# Altium PCB MainBoard_6_layers.PcbDoc (part 4 of 6) (continued)
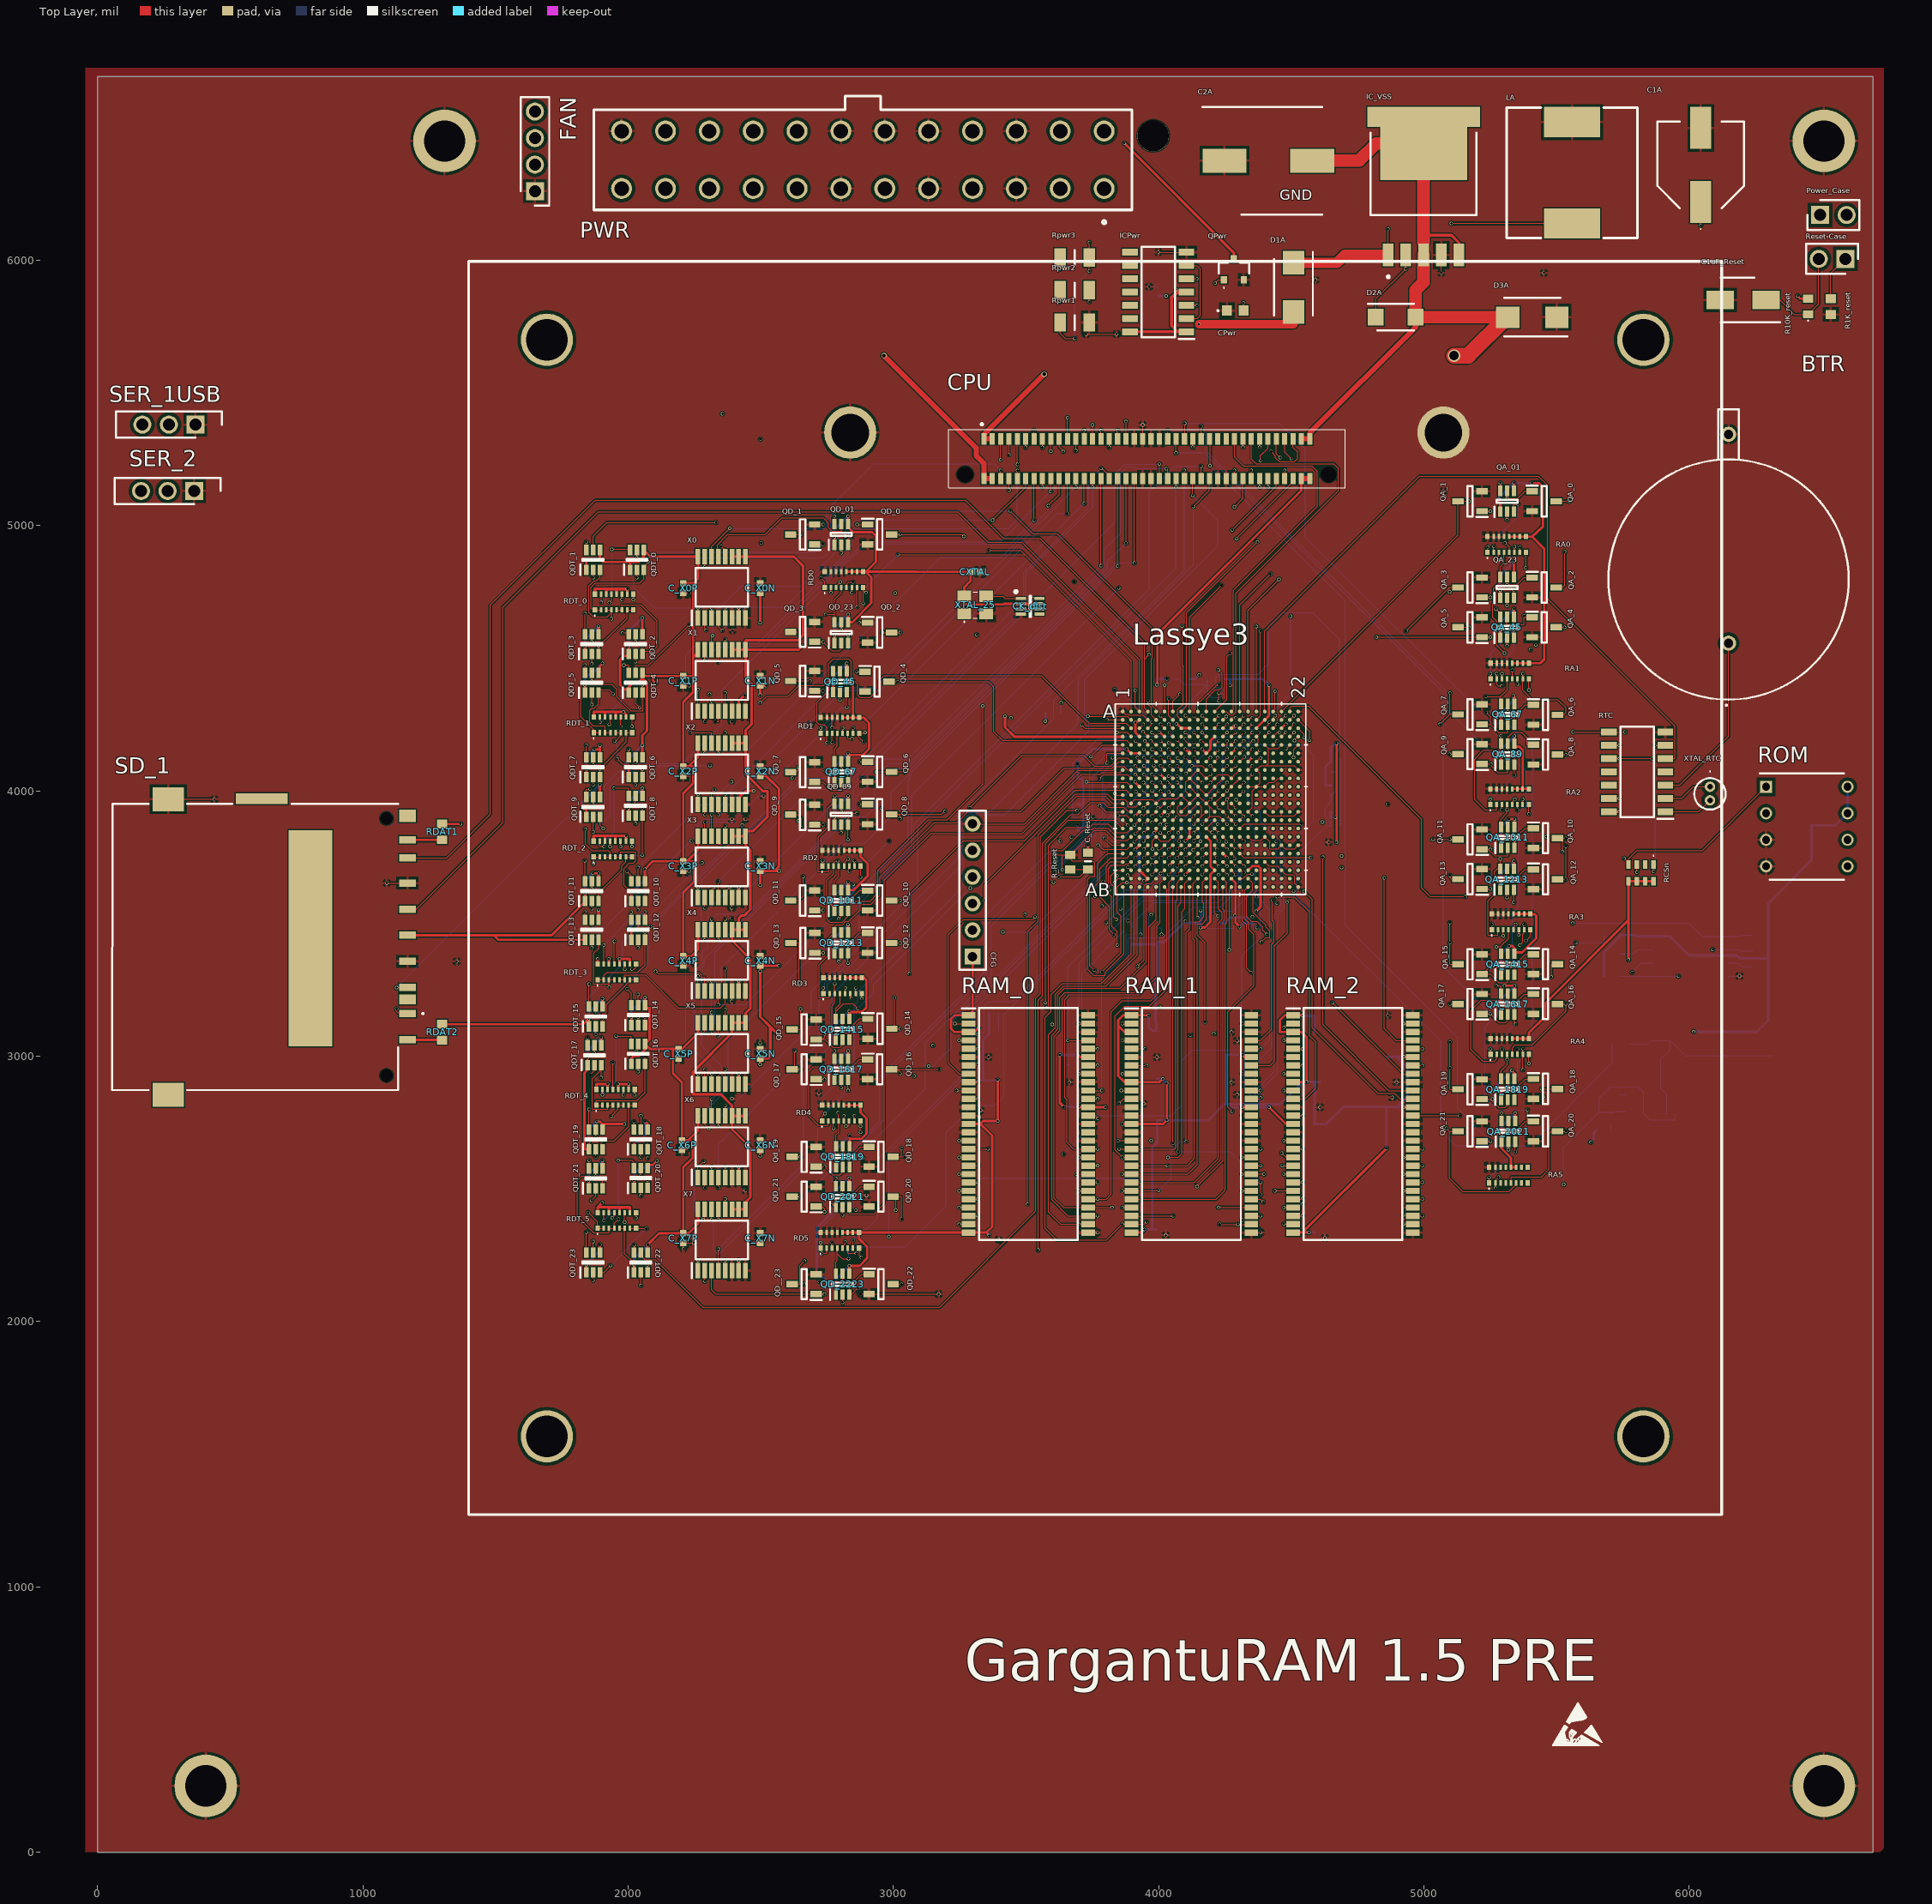
[diagram p0: Top Layer view]
## Nets (pads, with @x,y where several pads share a name; then routed paths per layer and width w, separated by ;. In a path a pad name is that pad's centre, name@x,y a point inside that pad or via, vN(x,y) a via of type N, cw(c..) or ccw(c..) an arc to the next point about the centre after c; other vN are vias at no path point) (continued)
  Bottom Layer w4: v1(1908.66,2381.05) 1962.91,2435.31 v1(1962.91,2608)
D_21S: QDT_21.6 RDT_5.13 | length 305
  Top Layer w4: QDT_21.6@1852.32,2577.4 v1(1852.32,2607) ; v1(1939.91,2391) 1947.6,2398.69 RDT_5.13@1947.6,2410.9
  Layer 3 w4: v1(1852.32,2607) 1939.91,2519.41 v1(1939.91,2391)
D_22S: QDT_22.6 RDT_5.11 | length 166.2
  Top Layer w4: v1(1986.91,2375) 1986.97,2375.06 RDT_5.11@1986.97,2410.9 ; QDT_22.6@2022.32,2260.14 2023.18,2260.99 v1(2023.18,2288.73)
  Layer 3 w4: v1(1986.91,2375) 1986.91,2325 v1(2023.18,2288.73)
D_23S: QDT_23.6 RDT_5.9 | length 306.6
  Top Layer w4: QDT_23.6@1842.32,2260.14 v1(1842.32,2337) ; v1(2029.8,2391) RDT_5.9@2029.8,2410.9
  Layer 4 w4: v1(1842.32,2337) 1975.8,2337 v1(2029.8,2391)
DataID_0: CPU.67 Lassye3.B11 | length 2989.1
  Top Layer w4: v1(4163.91,4284) 4163.91,4283.91 Lassye3.B11@4179.69,4268.14 ; CPU.67@4380.75,5327.43 4380.75,5296.16 v1(4380.91,5296)
  Layer 1 w4: v1(4163.91,4284) 4118.91,4329 3989.91,4329 3951.91,4367 3899.91,4367 3700.91,4566 3301.91,4566 3225.91,4642 3225.91,5302 3263.91,5340 4336.91,5340 v1(4380.91,5296)
DataID_1: CPU.72 Lassye3.B10 | length 1246.4
  Top Layer w4: v1(4132.91,4283.42) Lassye3.B10@4148.19,4268.14 ; v1(4276.91,4983) 4443.74,5149.83 CPU.72@4443.74,5177.83
  Layer 4 w4: v1(4132.91,4283.42) 4132.91,4399 4039.91,4492 3964.69,4492 3942.69,4514 3942.69,4648.78 v1(4276.91,4983)
EXT_CSn: RCSn.2
GND: BTR.2 C1A.2 C1uF_Reset.2 C2A.1 C_IO0.1 C_IO1.1 C_IO2.1 C_IO3.1 C_IO4.1 C_IO5.1 C_IO6.1 C_IO7.1 C_IO8.1 C_IO9.1 C_IO10.1 C_IO11.1 C_PLL.2 C_PLL_A.2 C_Reset.1 C_ROM.1 C_VCC0.1 C_VCC1.1 C_VCC2.1 C_VCC3.1 C_VCC4.1 C_VCC5.1 C_VCC6.1 C_VCC7.1 C_Vcc8.1 C_VCC.2 C_X0N.1 C_X0P.1 C_X1N.1 C_X1P.1 C_X2N.1 C_X2P.1 C_X3N.1 C_X3P.1 C_X4N.1 C_X4P.1 C_X5N.1 C_X5P.1 C_X6N.1 C_X6P.1 C_X7N.1 C_X7P.1 CFG.6 CICPwr.2 CK_dist.4 CPU.37 CPU.39 CPU.40 CPU.41 CPU.42 CPU.43 CPU.58 CPU.60 CPwr.1 CR0.2 CR1.2 CR2.2 CR3.2 CR4.2 CR5.2 CR6.2 CR7.2 CR8.2 CR9.2 CR10.2 CR11.2 CR12.2 CR13.2 CR14.2 CR15.2 CR16.2 CR17.2 CR18.2 CR19.2 CR20.2 CRom.2 CXTAL.2 D3A.1 EROM.4 FAN.1 IC_1V2.1 IC_VSS.4 ICPwr.7 LA.1 Lassye3.A1 Lassye3.A22 Lassye3.AB1 Lassye3.AB22 Lassye3.B4 Lassye3.B12 Lassye3.D4 Lassye3.D7 Lassye3.D13 Lassye3.D16 Lassye3.E18 Lassye3.E20 Lassye3.F22 Lassye3.H2 Lassye3.H5 Lassye3.H15 Lassye3.H17 Lassye3.H22 Lassye3.J10 Lassye3.J12 Lassye3.J14 Lassye3.J20 Lassye3.K9 Lassye3.K11 Lassye3.K13 Lassye3.K16 Lassye3.K17 Lassye3.K18 Lassye3.L8 Lassye3.L10 Lassye3.L12 Lassye3.L14 Lassye3.M2 Lassye3.M5 Lassye3.M9 Lassye3.M11 Lassye3.M13 Lassye3.N8 Lassye3.N10 Lassye3.N12 Lassye3.N14 Lassye3.N16 Lassye3.N18 Lassye3.N20 Lassye3.N22 Lassye3.P9 Lassye3.P11 Lassye3.P13 Lassye3.T2 Lassye3.T5 Lassye3.T7 Lassye3.T16 Lassye3.T18 Lassye3.U20 Lassye3.U22 Lassye3.W13 Lassye3.W18 Lassye3.Y2 Lassye3.Y5 Lassye3.Y8 Lassye3.Y11 Lassye3.Y15 Lassye3.Y20 pad.2 pad.12@2837.44,5351.05 pad.12@5073.66,5351.05 PWR.5 PWR.6 PWR.9 PWR.10 PWR.12 PWR.13 PWR.14 PWR.24 QA_0.2 QA_1.2 QA_2.2 QA_3.2 QA_4.2 QA_5.2 QA_6.2 QA_7.2 QA_8.2 QA_9.2 QA_10.2 QA_11.2 QA_12.2 QA_13.2 QA_14.2 QA_15.2 QA_16.2 QA_17.2 QA_18.2 QA_19.2 QA_20.2 QA_21.2 QD_0.2 QD_1.2 QD_2.2 QD_3.2 QD_4.2 QD_5.2 QD_6.2 QD_7.2 QD_8.2 QD_9.2 QD_10.2 QD_11.2 QD_12.2 QD_13.2 QD_14.2 QD_15.2 QD_16.2 QD_17.2 QD_18.2 Qd_19.2 QD_20.2 QD_21.2 QD_22.2 QD__23.2 QPwr.2 R1K_reset.1 RA0.13 RA0.14 RA0.15 RA0.16 RA1.13 RA1.14 RA1.15 RA1.16 RA2.13 RA2.14 RA2.15 RA2.16 RA3.13 RA3.14 RA3.15 RA3.16 RA4.13 RA4.14 RA4.15 RA4.16 RA5.15 RA5.16 RAM_0.6 RAM_0.12 RAM_0.15 RAM_0.28 RAM_0.39 RAM_0.41 RAM_0.46 RAM_0.52 RAM_0.54 RAM_1.6 RAM_1.12 RAM_1.15 RAM_1.28 RAM_1.39 RAM_1.41 RAM_1.46 RAM_1.52 RAM_1.54 RAM_2.6 RAM_2.12 RAM_2.15 RAM_2.28 RAM_2.39 RAM_2.41 RAM_2.46 RAM_2.52 RAM_2.54 RD0.13 RD0.14 RD0.15 RD0.16 RD1.13 RD1.14 RD1.15 RD1.16 RD2.13 RD2.14 RD2.15 RD2.16 RD3.13 RD3.14 RD3.15 RD3.16 RD4.13 RD4.14 RD4.15 RD4.16 RD5.13 RD5.14 RD5.15 RD5.16 ROM.3 ROM.4 Rpwr1.1 RTC.7 SD_1.G1 SD_1.P3 SD_1.P6 SER_1USB.1 SER_2.1 X0.6 X0.8 X1.6 X1.8 X2.6 X2.8 X3.6 X3.8 X4.6 X4.8 X5.6 X5.8 X6.6 X6.8 X7.6 X7.8 XTAL_25.2 | length 21733.5
  Top Layer w4: SD_1.G1@266.3,3969.08 v1(439.91,3969.08) ; SER_2.1@363.66,5131.05 SER_2.1@363.91,5131.05 ; v1(1089.91,3653.14) SD_1.P6@1167.87,3653.14 ; SD_1.P3@1136.91,3357.86 SD_1.P3@1167.87,3357.86 ; C_X6P.1@2202.91,2646.89 2208.82,2652.8 C_X6P.1@2212.02,2656 ; C_X4P.1@2207.67,3341.89 C_X4P.1@2207.67,3351 ; C_X3P.1@2207.67,3698.78 v1(2229.69,3698.78) ; v1(2207.91,2275) C_X7P.1@2207.91,2296.89 v1(2246.91,2296.89) ; C_X1P.1@2207.91,4396.89 2229.8,4396.89 v1(2229.91,4397) ; C_X0P.1@2207.91,4746.89 v1(2229.91,4746.89) ; v1(2390.91,3208) 2391.3,3208.39 X4.6@2391.3,3246.48 ; v1@2392.17,4607.55 v1(2393.66,4606.05) v1@2394.36,4606.75 ; X4.8@2435.62,3219.14 2435.62,3239.62 X4.8@2442.48,3246.48 ; X5.8@2442.48,2872 X5.8@2442.48,2895.05 ; X3.8@2442.48,3577.73 X3.8@2442.48,3597.91 ; 2442.48,3920 X2.8@2442.48,3949.34 ; 2682.91,2983 2708.94,2983 QD_17.2@2708.94,2988.46 ; QD_11.2@2692.91,3624.8 QD_11.2@2703.19,3624.8 ; QD_21.2@2699.09,2508.46 QD_21.2@2708.94,2508.46 ; QD_3.2@2702.91,4637.27 QD_3.2@2703.19,4637.27 ; QD_1.2@2703.19,5004.52 v1(2734.91,5004.52) ; RD5.16@2725.83,2336.05 RD5.15@2748.98,2336.05 RD5.14@2768.66,2336.05 RD5.13@2788.35,2336.05 ; RD1.16@2726.3,4276.72 RD1.15@2749.45,4276.72 RD1.14@2769.13,4276.72 ; RD4.16@2731.3,2815.58 RD4.15@2754.45,2815.58 RD4.14@2774.13,2815.58 ; RD2.16@2731.77,3776.25 RD2.15@2754.92,3776.25 RD2.14@2774.61,3776.25 RD2.13@2794.29,3776.25 ; RD3.16@2736.14,3296.05 RD3.15@2759.29,3296.05 RD3.14@2778.98,3296.05 RD3.13@2798.66,3296.05 ; v1(2769.13,4239.22) RD1.14@2769.13,4276.72 ; RD1.13@2788.82,4276.72 RD1.14@2769.13,4276.72 ; RD4.13@2793.82,2815.58 RD4.13@2793.82,2820.5 ; v1(2876.91,2104) 2877.26,2103.65 QD_22.2@2908.39,2103.65 v1(3170.57,2103.65) ; QD_16.2@2884.72,2904.83 QD_16.2@2893.91,2904.83 ; QD_12.2@2892.91,3389.79 QD_12.2@2903.11,3389.79 ; QD_8.2@2902.91,3874.8 QD_8.2@2903.39,3874.8 ; QD_10.2@2903.39,3549.79 QD_10.2@2920.91,3549.79 ; 3257.41,2713.5 RAM_0.15@3283.15,2713.5 ; CFG.6@3298.66,3876.05 3493.66,3876.05 3695.7,4078.09 3828.13,4078.09 3842.2,4092.16 3870.11,4092.16 3883.11,4079.16 Lassye3.H2@3896.22,4079.16 ; 3320.91,4668.57 XTAL_25.2@3350,4668.57 ; v1(3328.66,2796.05) v1@3330.16,2797.55 ; v1(3604.91,3760) 3605.24,3759.68 3636.91,3759.68 ; v1(3636.91,3703.5) 3636.91,3759.68 ; v1(3726.91,5722) 3738.78,5722 ; RAM_0.39@3734.17,2682.01 3759.92,2682.01 ; RAM_0.46@3734.17,2902.48 3759.91,2902.48 ; Rpwr1.1@3738.78,5766.05 3738.78,5722 ; v1(3840.91,5722) 3738.78,5722 ; Lassye3.AB1@3864.73,3638.22 3869.82,3633.13 3869.82,3387.91 3799.1,3317.18 3799.1,3305.21 3754.8,3305.21 3732.01,3328 3732.01,3667 3743.91,3678.91 3758.91,3678.91 3758.91,3728 3750.91,3736 3674.57,3736 3666.57,3744 C_Reset.1@3666.57,3759.68 ; Lassye3.A1@3867.43,4299.64 3867.43,4296.93 3874.36,4290 3885.07,4290 3888.93,4286.14 3941.21,4286.14 Lassye3.B4@3959.21,4268.14 ; v1(3883.91,3713) 3884.43,3713 Lassye3.Y2@3896.22,3701.21 ; Lassye3.T2@3896.22,3827.2 3883.03,3814 3837.73,3814 3800.82,3850.91 3757.8,3850.91 C_Reset.1@3666.57,3759.68 ; Lassye3.M2@3896.22,3953.18 3910.04,3967 3976.89,3967 Lassye3.M5@3990.71,3953.18 4008.53,3971 4071.52,3971 Lassye3.L8@4085.2,3984.68 Lassye3.M9@4116.69,3953.18 ; CPU.39@3939.8,5327.43 v1(3939.8,5379.86) ; v1(3941.36,4223) Lassye3.D4@3959.21,4205.15 ; v1(3974.91,3685) 3974.91,3685.42 Lassye3.Y5@3990.71,3701.21 ; v1(3976.91,3781) 3976.91,3813.4 Lassye3.T5@3990.71,3827.2 4006.91,3811 4037.51,3811 Lassye3.T7@4053.7,3827.2 ; v1(3981.91,4096) 3981.91,4087.96 Lassye3.H5@3990.71,4079.16 ; v1(3998.66,6031.05) ICPwr.7@4104.96,6031.05 ; v1(4040.91,4220) 4040.91,4218.97 4053.7,4206.18 Lassye3.D7@4053.7,4205.15 ; v1(4069.91,3685) 4069.91,3685.93 Lassye3.Y8@4085.2,3701.21 ; Lassye3.N8@4085.2,3921.68 Lassye3.M9@4116.69,3953.18 ; Lassye3.P9@4116.69,3890.19 v1(4132.44,3905.94) Lassye3.N10@4148.19,3921.68 ; Lassye3.K9@4116.69,4016.17 Lassye3.L10@4148.19,3984.68 ; Lassye3.J10@4148.19,4047.67 v1(4163.94,4031.92) ; v1(4163.94,3685.46) Lassye3.Y11@4179.69,3701.21 ; v1(4163.94,3874.44) Lassye3.P11@4179.69,3890.19 ; Lassye3.K11@4179.69,4016.17 v1(4195.43,4031.92) Lassye3.J12@4211.18,4047.67 4224.51,4061 4260.84,4061 Lassye3.J14@4274.17,4047.67 4274.17,4047.93 4305.41,4079.16 Lassye3.H15@4305.67,4079.16 ; Lassye3.N12@4211.18,3921.68 4192.91,3939.95 ; Lassye3.B12@4211.18,4268.14 v1(4226.93,4283.89) ; v1(4226.93,4000.42) Lassye3.L12@4211.18,3984.68 v1(4195.43,3968.93) Lassye3.M11@4179.69,3953.18 ; v1(4226.91,4340) v1(4226.91,4369) ; Lassye3.W13@4242.68,3732.71 v1(4258.43,3716.96) ; Lassye3.M13@4242.68,3953.18 v1(4258.43,3968.93) ; Lassye3.K13@4242.68,4016.17 v1(4258.43,4031.92) ; Lassye3.D13@4242.68,4205.15 v1(4258.43,4220.9) ; C2A.1@4248.31,6376.05 C2A.1@4321.06,6376.05 ; v1(4258.43,3874.44) Lassye3.P13@4242.68,3890.19 4228.87,3904 4192.91,3904 ; Lassye3.L14@4274.17,3984.68 v1(4258.43,3968.93) ; v1(4289.92,3905.94) Lassye3.N14@4274.17,3921.68 4260.91,3934.94 v1(4258.43,3968.93) ; Lassye3.Y15@4305.67,3701.21 4308.38,3701.21 4315.09,3694.49 4320.42,3694.49 v1(4321.91,3693) ; Lassye3.T16@4337.17,3827.2 4350.36,3814 4386.96,3814 Lassye3.T18@4400.16,3827.2 4418.65,3808.7 4418.65,3782.7 4450.15,3782.7 Lassye3.U20@4463.15,3795.7 4476.85,3782 4512.44,3782 Lassye3.U22@4526.14,3795.7 ; Lassye3.K16@4337.17,4016.17 Lassye3.K17@4368.66,4016.17 ; Lassye3.D16@4337.17,4205.15 v1(4352.97,4220.95) ; RAM_1.28@4349.17,2335.55 v1(4384.57,2335.55) ; v1(4352.91,3905.94) Lassye3.N16@4337.17,3921.68 4352.91,3937.43 4352.91,4000.42 Lassye3.K17@4368.66,4016.17 ; Lassye3.W18@4400.16,3732.71 4415.87,3717 4447.36,3717 Lassye3.Y20@4463.15,3701.21 4479.36,3685 4503.91,3685 4511.99,3676.92 4511.99,3652.37 Lassye3.AB22@4526.14,3638.22 ; Lassye3.N18@4400.16,3921.68 4415.84,3906 4463.15,3906 ; Lassye3.E18@4400.16,4173.65 4413.91,4159.9 ; Lassye3.N20@4463.15,3921.68 4463.15,3906 ; Lassye3.J20@4463.15,4047.67 4450.04,4047.67 4434.29,4031.92 4415.91,4031.92 Lassye3.K18@4400.16,4016.17 Lassye3.K17@4368.66,4016.17 ; Lassye3.E20@4463.15,4173.65 4449.5,4160 4413.91,4159.9 ; Lassye3.N22@4526.14,3921.68 4510.46,3906 4463.15,3906 ; Lassye3.H22@4526.14,4079.16 4510.39,4094.91 4404.91,4094.99 ; RAM_2.41@4933.91,2745 RAM_2.41@4958.43,2745 ; v1(5065.59,5953) IC_VSS.4@5065.59,6020.58 ; QA_3.2@5218.94,4804.6 QA_3.2@5221.91,4804.6 ; RA0.16@5239.76,4958.93 RA0.15@5262.91,4958.93 RA0.14@5282.6,4958.93 RA0.13@5302.28,4958.93 ; RA2.16@5251.02,4007.95 RA2.15@5274.17,4007.95 RA2.14@5293.86,4007.95 RA2.13@5313.54,4007.95 ; RA4.16@5251.3,3066.72 RA4.15@5274.45,3066.72 RA4.14@5294.13,3066.72 RA4.13@5313.82,3066.72 ; RA1.16@5251.3,4481.72 RA1.15@5274.45,4481.72 RA1.14@5294.13,4481.72 RA1.13@5313.82,4481.72 ; RA3.16@5256.3,3536.72 RA3.15@5279.45,3536.72 RA3.14@5299.13,3536.72 RA3.13@5314.86,3536.72 ; QA_4.2@5387.61,4579.79 QA_4.2@5408.39,4579.79 ; QA_12.2@5401.94,3627.82 5403.91,3629.8 QA_12.2@5413.39,3629.8 ; QA_16.2@5403.91,3159.79 QA_16.2@5413.39,3159.79 ; QA_20.2@5405.91,2679.79 QA_20.2@5413.39,2679.79 ; QA_8.2@5412.91,4099.79 QA_8.2@5413.39,4099.79 ; QA_14.2@5432.91,3316 5432.91,3309 QA_14.2@5414.18,3309 ; C1A.2@6043.66,6450 C1A.2@6043.66,6499.72 ; 3636.91,3759.68 C_Reset.1@3666.57,3759.68 ; Lassye3.M9@4116.69,3953.18 Lassye3.L10@4148.19,3984.68 ; Lassye3.L10@4148.19,3984.68 Lassye3.M11@4179.69,3953.18 ; Lassye3.P11@4179.69,3890.19 4192.91,3904 ; Lassye3.P11@4179.69,3890.19 4192.91,3903.42 4192.91,3904 ; Lassye3.M11@4179.69,3953.18 4192.91,3939.95 ; 4192.91,3904 4192.91,3939.95 ; Lassye3.K17@4368.66,4016.17 4381.91,4029.42 4381.91,4065.91 Lassye3.H17@4368.66,4079.16 4384.5,4095 ; 4384.5,4095 4404.91,4094.99 ; 4384.5,4095 4404.91,4095 ; 4404.91,4095 4413.91,4104 4413.91,4159.9 ; QA_14.2@5414.18,3309 5413.39,3309 QA_14.2@5413.39,3309.79 QA_14.2@5414.18,3309 ; v1(2390.91,3559) X3.6@2391.3,3597.91 2391.3,3559.39 v1(2390.91,3559)
  Top Layer w9.84: RAM_0.28@3734.17,2335.55 v1(3769.57,2335.55)
  Top Layer w11.81: C_X6P.1@2208.82,2652.8 2221.82,2652.8 v1(2225.03,2656)
  Layer 1 w4: v1(1353.91,3357.86) 1369.78,3342 2203.66,3342 2212.66,3351 v1(2250.91,3351) 2377.91,3351 2390.91,3338 v1(2390.91,3208) ; 1369.78,3341.89 2203.66,3341.89 ; v1(2225.03,2656) 2225.03,2727.11 2338.02,2840.11 v1(2391.3,2840.11) ; v1(2229.91,4746.89) 2370.75,4606.05 v1(2393.66,4606.05) ; v1(2390.91,4262) 2412.91,4240 ; v1(2391.3,3894) 2412.91,3915.61 2412.91,4240 ; v1(2442.48,3894) 2442.48,4210.43 2412.91,4240 ; v1(3604.91,3760) 3636.91,3728 v1(3636.91,3703.5) ; v1(3974.91,3685) 3990.91,3701 4053.91,3701 v1(4069.91,3685) 4069.91,3698 4151.4,3698 v1(4163.94,3685.46) ; v1(4225.95,3684.48) 4239.47,3698 4316.91,3698 v1(4321.91,3693) ; v1(4226.93,4283.89) v1(4226.91,4340) ; v1(4591.6,5926.68) 4617.91,5953 v1(5065.59,5953) v1(5452.18,5953)
  Layer 2 w4: v1(439.91,3969.08) 773.97,3969.08 v1(1089.91,3653.14) ; pad.2@1307.91,6450 1496.86,6261.05 FAN.1@1648.66,6261.05 ; v1(2229.69,3698.78) 2369.47,3559 ; v1(2250.91,3351) 2250.91,3367 2331.91,3448 2331.91,3530 2360.91,3559 2369.47,3559 ; v1(2390.91,3208) 2497.91,3101 v1(2497.91,3050.11) ; v1(2390.91,3559) 2369.47,3559 ; v1(2442.48,2494) 2718.66,2770.18 v2(2718.66,2861.05) ; v2(2688.66,4251.05) 2729.08,4251.05 2740.92,4239.22 v1(2769.13,4239.22) ; v1(3636.91,3703.5) 3874.41,3703.5 ; v1(3883.91,3713) 3874.41,3703.5 ; v1(3974.91,3685) 3956.41,3703.5 3874.41,3703.5 ; v1(4163.94,4031.92) v1(4195.43,4031.92) v1(4258.43,4031.92) ; v1@4258.91,4221 4270.91,4233 4340.91,4233 v1(4352.97,4220.95)
  Layer 2 w11.81: v2(2898.66,2476.05) 3065.72,2309 v1(3396.91,2309)
  Layer 3 w4: v1(2207.91,2275) 2274.91,2275 2442.48,2442.57 v1(2442.48,2494) ; v1(2390.91,4262) 2364.91,4262 v1(2229.91,4397) 2393.66,4560.75 v1(2393.66,4606.05) ; PWR.5@3463.66,6271.05 3463.66,5985.25 ; v1(3726.91,5722) 3463.66,5985.25 ; v1(3939.8,5379.86) 3463.66,5856 3463.66,5985.25 ; v1(4195.43,3968.93) v1(4258.43,3968.93) ; v1(4195.43,4031.92) v1(4226.93,4000.42) ; v1(4226.91,4340) 4242.68,4324.24 ; 4242.91,4237 4242.91,4324 4242.68,4324.24 ; v1(4258.43,4220.9) 4242.68,4236.64 4242.68,4324.24 ; v1(4289.92,3905.94) 4303.33,3892.53 4339.5,3892.53 v1(4352.91,3905.94) ; v1(5073.66,5129.6) pad.12@5073.66,5351.05
  Layer 4 w4: FAN.1@1648.66,6261.05 1875.2,6487.59 PWR.24@1975.47,6487.59 ; v1(2510.91,3981) v1(2769.13,4239.22) ; v1(3396.91,2309) 3423.46,2335.55 v1(3769.57,2335.55) ; v1(3840.91,5722) 3963.66,5844.75 v1(3963.66,5901.05) ; v1(3981.91,4096) 3990.91,4105 3990.91,4192 3999.05,4200.14 4021.05,4200.14 v1(4040.91,4220) ; v1(4226.93,4000.42) v1(4258.43,3968.93) ; v1(4384.57,2335.55) 4405.12,2315 v1(4626.77,2315)
  Bottom Layer w4: v1(2217.91,3005.85) 2217.91,3330 2238.91,3351 v1(2250.91,3351) ; v1(2229.69,3698.78) 2263.91,3733 2263.91,3874 2283.91,3894 v1(2391.3,3894) ; v1(3328.66,2796.05) v1@3330.78,2796.05 ; CR1.2@3396.77,3097.12 CR0.2@3396.77,3162.12 ; 3650.92,2969.01 CR6.2@3663.66,2969.01 ; v1(3943.66,2821.05) v1@3944.3,2820.42 ; v1(3963.66,5901.05) 3997.44,5901.05 CICPwr.2@3998.66,5902.27 ; v1(3974.91,3685) 3986.91,3697 3986.91,3771 v1(3976.91,3781) ; CR11.2@4026.77,2347.12 4026.77,2325.14 v1(4026.91,2325) ; C_VCC2.1@4184.16,4458.43 C_VCC2.1@4184.56,4458.43 ; C_IO8.1@4247.52,4458.43 C_IO8.1@4247.91,4458.43 ; v1(4626.77,2315) CR18.2@4626.77,2337.12 ; C_VCC7.1@4686.02,3870 C_IO2.1@4686.02,3922 C_VCC6.1@4686.02,3974 C_IO1.1@4686.02,4021 C_Vcc8.1@4686.02,4073 C_IO0.1@4686.02,4125 ; C_ROM.1@5706.22,2722.2 5706.22,2744 ; C_PLL_A.2@5735.58,2855.98 C_PLL_A.2@5763.66,2855.98 ; IC_1V2.1@6058.91,2911.64 IC_1V2.1@6059.65,2911.64 ; EROM.4@6147.13,3302.2 v1(6189.91,3302.2)
  other v1: 4608.66,2807.99 4880.77,2845.23 4295.77,2855.23 3663.66,2902.48 4273.66,2902.48 4896.91,2902.48 3358.66,2996.97 3993.66,2996.97 4295.77,3058.12 4273.66,3091.46 4863.66,3154.45 4640.83,3807
HOLD: EROM.7 R_Hold.1 | length 131.6
  Bottom Layer w4: R_Hold.1@5738.27,3387.2 5792.91,3387.2 5807.91,3402.2 EROM.7@5863.66,3402.2
INT: CPU.71 Lassye3.B9 | length 1470.4
  Top Layer w4: v1(4100.91,4284) 4100.91,4283.92 Lassye3.B9@4116.69,4268.14 ; CPU.71@4443.74,5327.43 4443.74,5271.17 v1(4457.91,5257)
  Layer 4 w4: v1(4100.91,4284) 4100.91,4416 4038.91,4478 3951.91,4478 3933.91,4496 3933.91,4680.16 4323.91,5070.16 4323.91,5228 4352.91,5257 v1(4457.91,5257)
INT_A: CPU.76 Lassye3.B8 | length 1084.1
  Top Layer w4: Lassye3.B8@4085.2,4268.14 4071.91,4281.42 4071.91,4307 4091.91,4327 4091.91,4471.34 4088.66,4474.6 v1(4088.66,4621.05) ; v1(4293.66,4951.05) 4293.66,4952.94 4501.64,5160.93 CPU.76@4506.73,5160.93
  Layer 2 w4: v1(4088.66,4621.05) 4088.66,4746.05 v1(4293.66,4951.05)
INTn: Lassye3.K1
LOCK: CPU.70 Lassye3.C12 | length 1046.1
  Top Layer w4: Lassye3.C12@4211.18,4236.64 4226.54,4252 v1(4226.91,4252) ; v1(4412.25,5146) CPU.70@4412.25,5177.83
  Layer 4 w4: v1(4226.91,4252) 4238.91,4264 4238.91,4419.17 4213.01,4445.07 4213.01,4692.65 4412.25,4891.89 v1(4412.25,5146)
M_IO: CPU.73 Lassye3.A11 | length 1190.5
  Top Layer w4: Lassye3.A11@4179.69,4299.64 4179.69,4346.77 4213.91,4381 4227.91,4381 4238.91,4392 4238.91,4443 v1(4224.91,4457) ; CPU.73@4475.24,5327.43 4475.24,5277.68 v1(4499.91,5253)
  Layer 4 w4: v1(4224.91,4457) 4246.91,4479 4246.91,4706 4499.91,4959 v1(4499.91,5253)
MAIN_RESET: C1uF_Reset.1 Lassye3.R8 R10K_reset.1 Reset-Case.2 | length 4113.8
  Top Layer w4: v1(4073.91,3843) 4073.91,3847.41 Lassye3.R8@4085.2,3858.69 ; C1uF_Reset.1@6290.28,5851.05 6341.91,5851.05 6396.44,5796.53 R10K_reset.1@6448.66,5796.53 6488.66,5836.53 Reset-Case.2@6488.66,6006.05
  Layer 1 w4: v1(4073.91,3843) 4089.91,3859 4772.91,3859 v1(4863.91,3950)
  Layer 4 w4: v1(4863.91,3950) 5133.91,4220 5343.91,4220 6488.66,5364.75 Reset-Case.2@6488.66,6006.05
MISO: Lassye3.A4 ROM.2 RTC.8 SD_1.P7 | length 7267.9
  Top Layer w4: SD_1.P7@1167.87,3748.61 1316.22,3748.61 1480.91,3913.31 1480.91,4701 1875.97,5096.05 3271.86,5096.05 3414.91,4953 3551.91,4953 3947.01,4557.91 3947.01,4497.09 ; Lassye3.A4@3959.21,4299.64 3947.01,4311.84 3947.01,4497.09 ; v1(3963.91,4514) 3947.01,4497.09 ; v1(5562.11,4222.2) RTC.8@5697.44,4222.2 v1(5757.91,4222.2)
  Layer 2 w4: v1(5757.91,4222.2) 5983.78,4222.2 ROM.2@6289.92,3916.05
  Layer 4 w4: v1(3963.91,4514) 4143.91,4514 4189.01,4468.91 4189.01,4247.91 4231.91,4205 4527.85,4205 4536.57,4213.72 4565.26,4213.72 4856.97,3922 5261.91,3922 v1(5562.11,4222.2)
MOSI: Lassye3.A2 ROM.5 RTC.9 SD_1.P2 | length 8051.3
  Top Layer w4: v1(1126.91,3259) 1127.35,3259.44 SD_1.P2@1167.87,3259.44 ; v1(3017.14,4891) 3495.91,4891 ; v1(3359.91,4907) 3479.91,4907 3495.91,4891 ; Lassye3.A2@3896.22,4299.64 3896.22,4490.69 3495.91,4891 ; RTC.9@5697.44,4172.2 v1(5736.88,4172.2)
  Layer 1 w4: v1(3359.91,4907) 3359.91,4677 3391.91,4645 4300.91,4645 4378.91,4567 5404.91,4567 v1(5421.91,4550)
  Layer 2 w4: v1(5736.88,4172.2) 6029.51,3879.56 6304.48,3879.56 6467.99,3716.05 ROM.5@6597.4,3716.05
  Layer 3 w4: v1(5421.91,4550) 5421.91,4487.16 v1(5736.88,4172.2)
  Bottom Layer w4: v1(1126.91,3259) 1768.91,3901 1874.91,3901 1909.91,3936 1909.91,4019 1968.82,4077.91 2014.7,4077.91 2040.84,4104.05 2204.97,4104.05 2352.91,4252 2352.91,4380 2742.69,4769.78 2895.91,4769.78 v1(3017.14,4891)
MSync: CPU.69 Lassye3.A9 | length 1150.2
  Top Layer w4: Lassye3.A9@4116.69,4299.64 4116.69,4654.78 v1(4237.91,4776) ; v1(4383.91,5245) 4383.91,5263.57 4412.25,5291.91 CPU.69@4412.25,5327.43
  Layer 4 w4: v1(4237.91,4776) 4343.91,4882 4343.91,5163 4383.91,5203 v1(4383.91,5245)
NetBTR_1: BTR.1 RTC.3 | length 665.5
  Top Layer w4: RTC.3@5910.04,4022.2 5964.11,4022.2 6148.66,4206.75 BTR.1@6148.66,4557.2
NetC1A_1: C1A.1 D1A.1 IC_VSS.1 | length 1756.1
  Top Layer w4: IC_VSS.1@4864.8,6020.58 v1(4864.8,6119) ; C1A.1@6043.66,6220.19 6043.66,6132.25 v1(6043.91,6132)
  Top Layer w39.37: D1A.1@4508.66,5991.09 4671.91,5991.09 4701.4,6020.58 IC_VSS.1@4864.8,6020.58
  Layer 1 w4: v1(4864.8,6119) 4897.8,6152 6023.91,6152 v1(6043.91,6132)
NetC_VCC_1: C_VCC.1 FB_VCCA.1 IC_1V2.2 IC_1V2.4 L_INT.1 | length 859.9
  Bottom Layer w4: L_INT.1@5776.14,3047.2 5845.91,3047.2 5857.49,3058.77 C_VCC.1@5928.66,3058.77 ; FB_VCCA.1@5915.95,2782.2 5915.95,2856.97 5893.91,2879 5893.91,2989.25 5928.66,3024 C_VCC.1@5928.66,3058.77 ; IC_1V2.4@6307.68,3002.2 IC_1V2.2@6059.65,3002.2 5985.24,3002.2 C_VCC.1@5928.66,3058.77
NetCK_dist_5: CK_dist.5
NetCpwr_2: CPwr.2 ICPwr.3 Rpwr3.2 | length 885.2
  Top Layer w4: v1(3628.54,5967) Rpwr3.2@3628.54,6011.05 ; ICPwr.3@4104.96,5831.05 v1(4144.39,5831.05) ; v1(4319.91,5841) 4320.16,5840.76 CPwr.2@4320.16,5811.05
  Layer 1 w4: v1(4144.39,5831.05) 4154.34,5841 v1(4319.91,5841)
  Layer 2 w4: v1(3628.54,5967) 3652.54,5991 3984.45,5991 v1(4144.39,5831.05)
NetD2A_1: D2A.1 IC_VSS.2 LA.2 | length 979.2
  Top Layer w4: D2A.1@4818.86,5786.05 4818.86,5855.13 4931.73,5968 v1(4931.73,5968.16) IC_VSS.2@4931.73,6020.58 ; v1(5103.06,6139.48) LA.2@5558.66,6139.48
  Layer 1 w4: v1(4931.73,5968.16) v1(5103.06,6139.48)
NetEROM_3: EROM.3 R_WP.1 | length 98.3
  Bottom Layer w4: EROM.3@6147.13,3352.2 6184.91,3352.2 6199.91,3337.2 R_WP.1@6239.21,3337.2
NetICpwr_2: ICPwr.2 ICPwr.6 | length 289.9
  Top Layer w4: ICPwr.2@4104.96,5781.05 4145.97,5781.05 4156.91,5792 4156.91,5968.05 4143.91,5981.05 ICPwr.6@4104.96,5981.05
NetICpwr_5: ICPwr.5 Rpwr2.1 | length 524.7
  Top Layer w4: v1(3738.78,5844) Rpwr2.1@3738.78,5888.55 ; ICPwr.5@4104.96,5931.05 4143.86,5931.05 v1(4143.91,5931)
  Layer 4 w4: v1(3738.78,5844) 3825.78,5931 v1(4143.91,5931)
NetLassye3_AA13: Lassye3.AA13 RAM_0.23 RAM_1.23 RAM_2.23 | length 2900.5
  Top Layer w4: RAM_0.23@3283.15,2461.54 3318.45,2461.54 v1(3318.91,2462) ; RAM_1.23@3898.15,2461.54 v1(3933.55,2461.54) 4216.45,2461.54 4250.91,2496 4250.91,3497.05 4255.91,3502.05 4255.91,3656.48 Lassye3.AA13@4242.68,3669.72 ; RAM_2.23@4507.4,2461.54 4537.71,2461.54 4542.23,2466.05 v1(4543.66,2466.05)
  Layer 2 w4: v1(3933.55,2461.54) 3980.08,2415 4495.91,2415 4519.04,2438.13 4519.04,2441.43 v1(4543.66,2466.05)
  Layer 4 w4: v1(3318.91,2462) 3331.91,2475 3920.08,2475 v1(3933.55,2461.54)
NetLassye3_AB2: Lassye3.AB2 RAM_0.26 RAM_1.26 RAM_2.26 | length 3175.2
  Top Layer w4: v1(3247.91,2367.05) RAM_0.26@3283.15,2367.05 ; Lassye3.AB2@3896.22,3638.22 3896.22,3387.47 3783.13,3274.38 3636.75,3274.38 3594.37,3232 3594.37,3169.43 3571.91,3146.97 3571.91,2352 3615.91,2308 3803.91,2308 v1(3862.75,2367.05) RAM_1.26@3898.15,2367.05 3944.65,2367.05 v1(3953.66,2376.05) ; v1(4471.91,2368) 4472.87,2367.05 RAM_2.26@4507.4,2367.05
  Layer 2 w4: v1(3247.91,2367.05) 3265.87,2385 3844.8,2385 v1(3862.75,2367.05)
  Layer 3 w4: v1(3953.66,2376.05) 3983.72,2346 4348.91,2346 4370.91,2368 v1(4471.91,2368)
NetLassye3_AB3: Lassye3.AB3 RAM_0.29 RAM_1.29 RAM_2.29 | length 3081.9
  Top Layer w4: RAM_0.29@3734.17,2367.05 v1(3698.91,2367.05) 3629.87,2367.05 3584.91,2412 3584.91,3082.19 3611.37,3108.64 3611.37,3233.79 3641.71,3264.13 3801.65,3264.13 3919.97,3382.45 3919.97,3630.47 Lassye3.AB3@3927.72,3638.22 ; v1(4229.96,2367.05) 4230.46,2366.55 4298.17,2366.55 v1(4298.66,2366.05) 4348.18,2366.05 RAM_1.29@4349.17,2367.05 ; v1(4922.91,2368) 4923.87,2367.05 RAM_2.29@4958.43,2367.05
  Layer 2 w4: v1(3698.91,2367.05) 3790.96,2275 4137.91,2275 v1(4229.96,2367.05) ; v1(4298.66,2366.05) 4375.72,2289 4843.91,2289 v1(4922.91,2368)
NetLassye3_AB4: Lassye3.AB4 RAM_0.30 RAM_1.30 RAM_2.30 | length 3077.3
  Top Layer w4: v1(3769.91,2398.54) RAM_0.30@3734.17,2398.54 3658.37,2398.54 3597.91,2459 3597.91,3079.19 3619.37,3100.64 3619.37,3230.45 3645.05,3256.13 3855.05,3256.13 3953.91,3355 3953.91,3632.92 Lassye3.AB4@3959.21,3638.22 ; RAM_1.30@4349.17,2398.54 v1(4384.57,2398.54) ; RAM_2.30@4958.43,2398.54 v1(4993.91,2398.54)
  Layer 1 w4: v1(3769.91,2398.54) 3864.46,2304 4290.03,2304 v1(4384.57,2398.54)
  Layer 4 w4: v1(4384.57,2398.54) 4525.37,2398.54 4591.91,2332 4927.37,2332 v1(4993.91,2398.54)
NetLassye3_AB5: Lassye3.AB5 RAM_0.31 RAM_1.31 RAM_2.31 | length 3075
  Top Layer w4: v1(3824.95,2430.04) RAM_0.31@3734.17,2430.04 3640.87,2430.04 3606.08,2464.83 3606.08,3074.72 3627.37,3096.01 3627.37,3220.45 3646.91,3240 3907.91,3240 3963.91,3296 3963.91,3488.41 3990.71,3515.21 Lassye3.AB5@3990.71,3638.22 ; v1(4225.91,2430.04) 4313.91,2430.04 ; v1(4313.91,2383) 4313.91,2430.04 ; RAM_1.31@4349.17,2430.04 4313.91,2430.04 ; v1(4922.91,2402) 4922.91,2430.04 RAM_2.31@4958.43,2430.04
  Layer 2 w4: v1(4313.91,2383) 4903.91,2383 v1(4922.91,2402)
  Layer 4 w4: v1(3824.95,2430.04) 3950.99,2304 4099.87,2304 v1(4225.91,2430.04)
NetLassye3_AB6: Lassye3.AB6 RAM_0.32 RAM_1.32 RAM_2.32 | length 2769.7
  Top Layer w4: RAM_0.32@3734.17,2461.54 v1(3769.91,2461.54) 3802.45,2461.54 3820.91,2480 3820.91,3168 3862.91,3210 3971.91,3210 4031.06,3269.15 4031.06,3629.36 Lassye3.AB6@4022.21,3638.22 ; RAM_1.32@4349.17,2461.54 4383.18,2461.54 v1(4393.66,2451.05) ; RAM_2.32@4958.43,2461.54 4993.45,2461.54 v1(4993.91,2462)
  Layer 1 w4: v1(3769.91,2461.54) 3785.38,2477 4369.11,2477 4393.66,2452.45 v1(4393.66,2451.05)
  Layer 4 w4: v1(4393.66,2451.05) 4431.72,2413 4815.91,2413 4864.91,2462 v1(4993.91,2462)
NetLassye3_AB7: Lassye3.AB7 RAM_0.33 RAM_1.33 RAM_2.33 | length 2628.1
  Top Layer w4: v1(3698.78,2493.03) RAM_0.33@3734.17,2493.03 ; v1(4053.7,2671.79) Lassye3.AB7@4053.7,3638.22 ; v1(4313.78,2493.03) RAM_1.33@4349.17,2493.03 ; v1(4922.91,2493) RAM_2.33@4958.43,2493.03
  Layer 1 w4: v1(4313.78,2493.03) 4391.91,2493.03 4612.95,2272 4701.91,2272 v1(4922.91,2493)
  Layer 3 w4: v1(4053.7,2671.79) 4071.5,2671.79 4250.25,2493.03 v1(4313.78,2493.03)
  Layer 4 w4: v1(3698.78,2493.03) 3714.74,2509 3890.91,2509 v1(4053.7,2671.79)
NetLassye3_AB8: Lassye3.AB8 RAM_0.34 RAM_1.34 RAM_2.34 | length 2493.8
  Top Layer w4: RAM_0.34@3734.17,2524.53 v1(3769.57,2524.53) ; v1(4073.61,2640.69) 4073.61,3567.69 4085.2,3579.28 Lassye3.AB8@4085.2,3638.22 ; RAM_1.34@4349.17,2524.53 v1(4384.57,2524.53) 4384.91,2524.19 v1(4384.91,2479) ; RAM_2.34@4958.43,2524.53 4993.44,2524.53 v1(4993.91,2525)
  Layer 1 w4: v1(3769.57,2524.53) 3852.04,2607 4039.91,2607 v1(4073.61,2640.69)
  Layer 4 w4: v1(4384.91,2479) 4947.91,2479 v1(4993.91,2525)
  Bottom Layer w4: v1(4073.61,2640.69) 4268.41,2640.69 v1(4384.57,2524.53)
NetLassye3_AB9: Lassye3.AB9 RAM_0.22 RAM_1.22 RAM_2.22 | length 2557.6
  Top Layer w4: v1(3247.91,2493.03) RAM_0.22@3283.15,2493.03 ; v1(3862.75,2493.03) RAM_1.22@3898.15,2493.03 3998.95,2493.03 v1(3999.91,2494) ; v1(4103.91,2679) 4103.91,3467 4116.82,3479.91 4116.82,3529 4116.69,3529.13 Lassye3.AB9@4116.69,3638.22 ; v1(4437.88,2493.03) RAM_2.22@4507.4,2493.03
  Layer 2 w4: v1(3247.91,2493.03) 3266.88,2512 3843.78,2512 v1(3862.75,2493.03)
  Layer 4 w4: v1(3999.91,2494) 4032.91,2527 4369.91,2527 4386.91,2544 v1(4437.88,2493.03)
  Bottom Layer w4: v1(3999.91,2494) 4046.82,2540.91 4046.82,2642.86 4082.96,2679 v1(4103.91,2679)